# Altium PCB F103ZET6.PcbDoc (part 3 of 3) (continued)
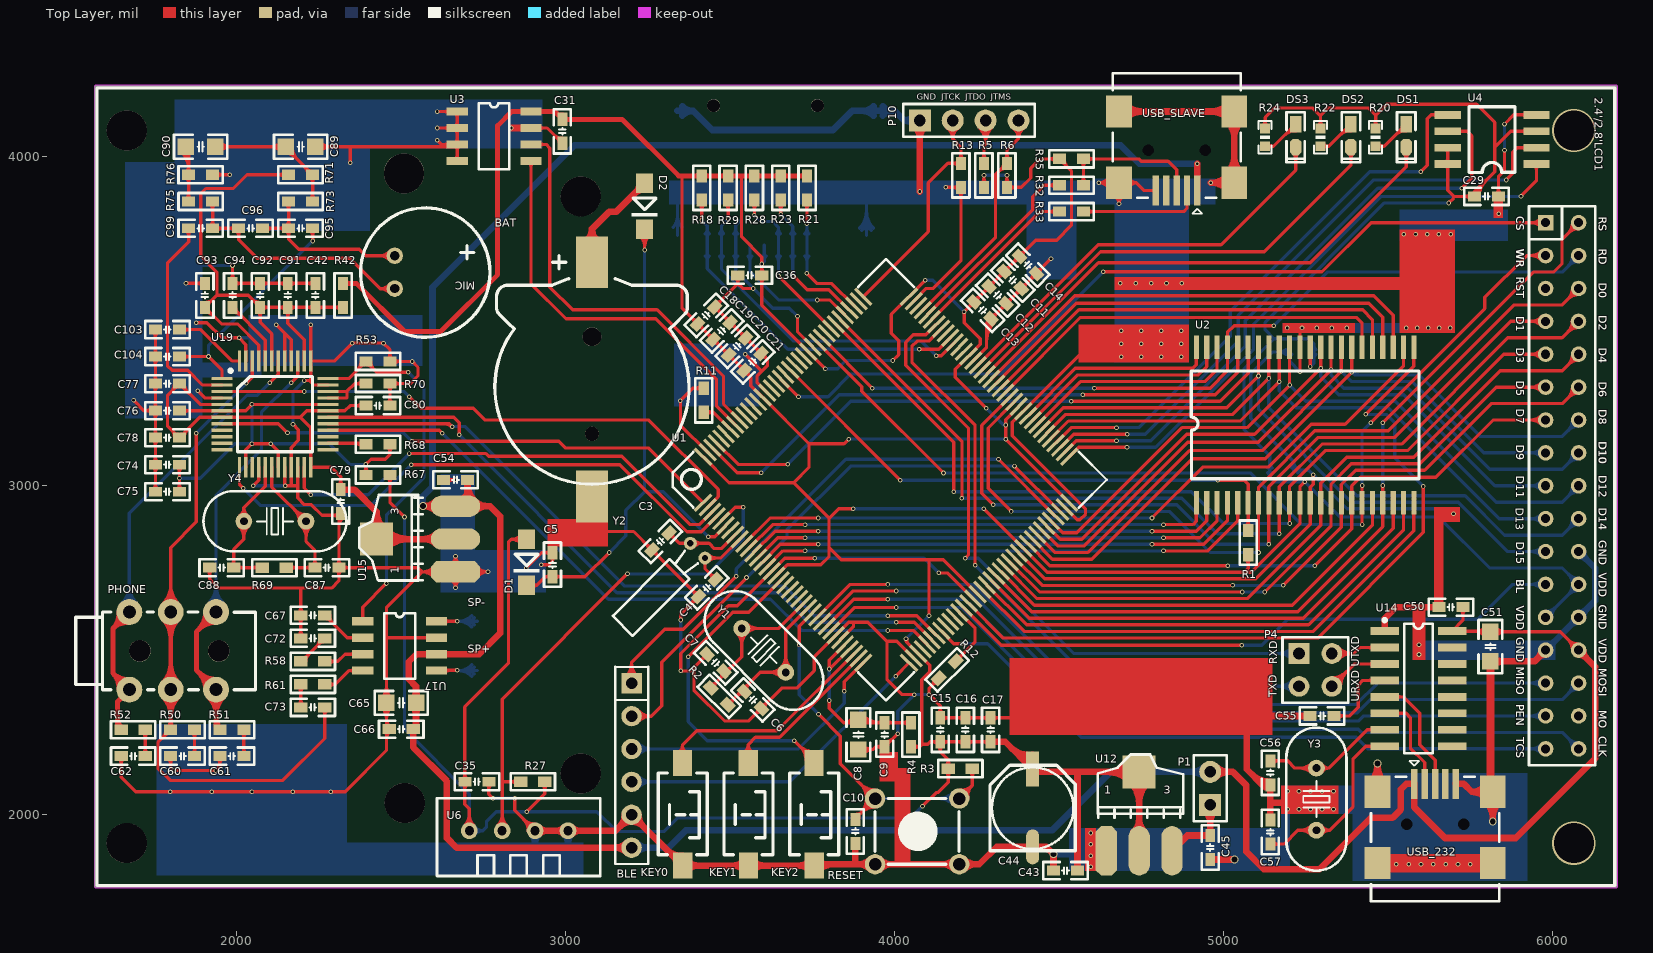
[diagram p0: Top Layer view]
## Nets (pads, with @x,y where several pads share a name; then routed paths per layer and width w, separated by ;. In a path a pad name is that pad's centre, name@x,y a point inside that pad or via, vN(x,y) a via of type N, cw(c..) or ccw(c..) an arc to the next point about the centre after c; other vN are vias at no path point) (continued)
T_CS: 2.4'/2.8'LCD1.33 U1.44 | length 2058
  Top Layer w10: U1.44@4141.54,2559.02 4180.57,2520 v1(4205,2520)
  Bottom Layer w10: v1(4205,2520) 4283,2520 4568,2235 5404,2235 5438.92,2200.08 2.4'/2.8'LCD1.33@5980.24,2200.08 ; 2.4'/2.8'LCD1.33@5967.07,2186.91 ccw(c5935.28,2155.12) 5935.28,2200.08 ccw(c5935.28,2245.04) 2.4'/2.8'LCD1.33@5967.07,2213.25
T_MISO: 2.4'/2.8'LCD1.29 U1.26 | length 2504.4
  Top Layer w10: U1.26@3765.72,2600.78 3864.94,2700 v1(3980,2700)
  Bottom Layer w10: v1(3980,2700) 4240,2700 4605,2335 4894,2335 5404,2335 5469.08,2400.08 2.4'/2.8'LCD1.29@5980.24,2400.08 ; 2.4'/2.8'LCD1.29@5967.07,2386.91 ccw(c5935.28,2355.12) 5935.28,2400.08 ccw(c5935.28,2445.04) 2.4'/2.8'LCD1.29@5967.07,2413.25
T_MOSI: 2.4'/2.8'LCD1.30 U1.27 | length 2600.4
  Top Layer w10: U1.27@3779.64,2586.86 3872.78,2680 v1(4005,2680)
  Bottom Layer w10: v1(4005,2680) 4227,2680 4597,2310 4895,2310 5407,2310 5447,2350 6030.16,2350 2.4'/2.8'LCD1.30@6080.24,2400.08 ; 2.4'/2.8'LCD1.30@6061.61,2400.08 cw(c6016.66,2400.08) 6048.45,2368.29 cw(c6080.24,2336.5) 2.4'/2.8'LCD1.30@6080.24,2381.46
T_PEN: 2.4'/2.8'LCD1.31 U1.28 | length 2450.8
  Top Layer w10: U1.28@3793.56,2572.94 3875.62,2655 v1(3980,2655)
  Bottom Layer w10: v1(3980,2655) 4214,2655 4584,2285 4895,2285 5412,2285 5427.08,2300.08 2.4'/2.8'LCD1.31@5980.24,2300.08 ; 2.4'/2.8'LCD1.31@5967.07,2286.91 ccw(c5935.28,2255.12) 5935.28,2300.08 ccw(c5935.28,2345.04) 2.4'/2.8'LCD1.31@5967.07,2313.25
USART1_RX: P4.1 U1.102 | length 2154.1
  Top Layer w10: U1.102@4127.62,3491.62 4095,3459 4057,3459 4034,3436 4034,3366 4225,3175 4225,2790 v1(4215,2780)
  Bottom Layer w10: v1(4215,2780) 4255,2780 4545,2490 P4.1@5230,2490 ; P4.1@5211.26,2471.26 ccw(c5166.03,2426.03) 5166.03,2490 ccw(c5166.03,2553.97) P4.1@5211.26,2508.74 ; P4.1@5218.34,2478.34 ccw(c5190.18,2450.18) 5190.18,2490 ccw(c5190.18,2529.82) P4.1@5218.34,2501.66
USART1_TX: P4.3 U1.101 | length 2156.8
  Top Layer w10: U1.101@4141.54,3477.7 4103.84,3440 4069,3440 4053,3424 4053,3376 4245,3184 v1(4245,2758)
  Bottom Layer w10: v1(4245,2758) 4613,2390 P4.3@5230,2390 ; P4.3@5211.26,2371.26 ccw(c5166.03,2326.03) 5166.03,2390 ccw(c5166.03,2453.97) P4.3@5211.26,2408.74 ; P4.3@5218.34,2378.34 ccw(c5190.18,2350.18) 5190.18,2390 ccw(c5190.18,2429.82) P4.3@5218.34,2401.66
USART2_RX: BLE.4 U1.37 | length 1152.9
  Top Layer w10: v1(4003.52,2421) U1.37@4044.1,2461.59
  Bottom Layer w10: BLE.4@3200.42,2099.58 3682.09,2099.58 v1(4003.52,2421) ; BLE.4@3211.74,2088.26 cw(c3239.05,2060.95) 3239.05,2099.58 cw(c3239.05,2138.2) BLE.4@3211.74,2110.89 ; BLE.4@3218.81,2081.19 cw(c3263.19,2036.81) 3263.19,2099.58 cw(c3263.19,2162.35) BLE.4@3218.81,2117.96
USART2_TX: BLE.3 U1.36 | length 1010.2
  Top Layer w10: v1(3847,2375) 3847,2403.68 U1.36@3904.91,2461.59
  Bottom Layer w10: BLE.3@3200.42,2199.58 3707.58,2199.58 3847,2339 v1(3847,2375) ; BLE.3@3211.74,2188.26 cw(c3239.05,2160.95) 3239.05,2199.58 cw(c3239.05,2238.2) BLE.3@3211.74,2210.89 ; BLE.3@3218.81,2181.19 cw(c3263.19,2136.81) 3263.19,2199.58 cw(c3263.19,2262.35) BLE.3@3218.81,2217.96
USART3_RX: BLE.2 U1.70 | length 1915.1
  Top Layer w10: BLE.2@3200.42,2299.58 3260.58,2299.58 3292,2331 3292,2463 v1(3550,2721) ; BLE.2@3212.08,2288.61 cw(c3237.44,2264.76) 3237.44,2299.58 cw(c3237.44,2334.39) BLE.2@3212.08,2310.54 ; BLE.2@3219.36,2281.76 cw(c3260.57,2243) 3260.57,2299.58 cw(c3260.57,2356.15) BLE.2@3219.36,2317.39 ; v1@4364.69,3059.69 U1.70@4503.45,2920.93
  Bottom Layer w10: v1(3550,2721) 3673,2844 3673,2866 3867,3060 v1(4365,3060)
USART3_TX: BLE.1 U1.69 | length 1852.4
  Top Layer w10: BLE.1@3182.04,2417.96 ccw(c3137.65,2462.35) 3200.42,2462.35 ccw(c3263.19,2462.35) BLE.1@3218.81,2417.96 ; BLE.1@3189.11,2410.89 ccw(c3161.8,2438.2) 3200.42,2438.2 ccw(c3239.05,2438.2) BLE.1@3211.74,2410.89 ; BLE.1@3200.42,2399.58 3200.42,2463.42 3301,2564 3358,2564 v1(3519,2725) ; v1(4316.27,3080.27) U1.69@4489.53,2907.01
  Bottom Layer w10: v1(3519,2725) 3519,2747 3852.27,3080.27 v1(4316.27,3080.27)
USB_DM: R33.2 U1.103 | length 564.6
  Top Layer w10: U1.103@4113.7,3505.54 4442.16,3834 R33.2@4501.5,3834 ; R33.2@4489.65,3826.4 ccw(c4471.3,3808.05) 4471.3,3834 ccw(c4471.3,3859.95) R33.2@4489.65,3841.6
USB_DP: R32.2 U1.104 | length 628.9
  Top Layer w10: U1.104@4099.78,3519.46 4420,3839.68 4420,3879 4455,3914 R32.2@4501.5,3914 ; R32.2@4489.65,3906.4 ccw(c4471.3,3888.05) 4471.3,3914 ccw(c4471.3,3939.95) R32.2@4489.65,3921.6
VCC3.3: 2.4'/2.8'LCD1.24 2.4'/2.8'LCD1.25 C1.2 C2.2 C11.2 C12.2 C13.2 C14.2 C15.2 C16.2 C17.2 C18.2 C19.2 C20.2 C21.2 C29.1 C31.1 C35.2 C36.2 C43.2 C44.1 D1.1 R1.2 R3.2 R4.2 R5.2 R6.2 R18.2 R20.1 R21.2 R22.1 R23.2 R24.1 R27.1 R28.2 R29.2 R35.2 R42.2 R67.2 TF.4 U1.17 U1.39 U1.52 U1.62 U1.72 U1.84 U1.95 U1.108 U1.121 U1.131 U1.144 U2.11 U2.33 U3.8 U4.3 U4.7 U4.8 U6.1 U12.2 U12.4 | length 23772.1
  Top Layer w10: R67.2@2457.9,3025.4 cw(c2439.55,3007.05) 2465.5,3007.05 cw(c2491.45,3007.05) R67.2@2473.1,3025.4 ; R67.2@2465.5,3033 2465.5,2949.5 v1(2510,2905) ; C35.2@2686.43,2092.93 cw(c2669.36,2075.86) 2693.5,2075.86 cw(c2717.64,2075.86) C35.2@2700.57,2092.93 ; C35.2@2686.43,2107.07 ccw(c2669.36,2124.14) 2693.5,2124.14 ccw(c2717.64,2124.14) C35.2@2700.57,2107.07 ; U6.1@2692.44,1965.56 ccw(c2657.29,2000.71) 2707,2000.71 ccw(c2756.71,2000.71) U6.1@2721.56,1965.56 ; U6.1@2707,1951 2707,2018 2693.5,2031.5 C35.2@2693.5,2100 2693.5,2327.5 2826,2460 2826,2828 2835,2837 ; D1.1@2865.64,2823.28 ccw(c2835,2795.92) 2835,2837 ; D1.1@2865.64,2850.72 cw(c2835,2878.08) 2835,2837 ; D1.1@2881,2837 2835,2837 ; v1(2882,2009) 2936.5,2063.5 R27.1@2936.5,2100 ; R27.1@2928.9,2092.4 cw(c2910.55,2074.05) 2936.5,2074.05 cw(c2962.45,2074.05) R27.1@2944.1,2092.4 ; 3354,3941.5 3354,3540.04 C18.2@3401.56,3492.48 C19.2@3448.7,3445.34 C20.2@3495.84,3398.2 C21.2@3542.98,3351.06 3563,3331.04 3563,3304.6 U1.131@3598.69,3268.91 3740,3127.6 ; C18.2@3391.56,3492.48 ccw(c3367.42,3492.48) 3384.49,3509.55 ccw(c3401.56,3526.62) C18.2@3401.56,3502.48 ; C18.2@3401.56,3482.48 cw(c3401.56,3458.34) 3418.63,3475.41 cw(c3435.7,3492.48) C18.2@3411.56,3492.48 ; U1.144@3417.73,3087.96 3496.69,3009 3693,3009 ; C19.2@3438.7,3445.34 ccw(c3414.56,3445.34) 3431.63,3462.41 ccw(c3448.7,3479.48) C19.2@3448.7,3455.34 ; C19.2@3448.7,3435.34 cw(c3448.7,3411.2) 3465.77,3428.27 cw(c3482.84,3445.34) C19.2@3458.7,3445.34 ; C20.2@3485.84,3398.2 ccw(c3461.7,3398.2) 3478.77,3415.27 ccw(c3495.84,3432.34) C20.2@3495.84,3408.2 ; C20.2@3495.84,3388.2 cw(c3495.84,3364.06) 3512.91,3381.13 cw(c3529.98,3398.2) C20.2@3505.84,3398.2 ; C21.2@3532.98,3351.06 ccw(c3508.84,3351.06) 3525.91,3368.13 ccw(c3542.98,3385.2) C21.2@3542.98,3361.06 ; 3535,3942.5 3535,3757 3596.5,3695.5 v1(3596.5,3674.5) C36.2@3596.5,3640 3596.5,3549.49 U1.121@3737.88,3408.11 v1(3789.99,3356) ; C21.2@3542.98,3341.06 cw(c3542.98,3316.92) 3560.05,3333.99 cw(c3577.12,3351.06) C21.2@3552.98,3351.06 ; C36.2@3589.43,3632.93 cw(c3572.36,3615.86) 3596.5,3615.86 cw(c3620.64,3615.86) C36.2@3603.57,3632.93 ; C36.2@3589.43,3647.07 ccw(c3572.36,3664.14) 3596.5,3664.14 ccw(c3620.64,3664.14) C36.2@3603.57,3647.07 ; U1.17@3640.44,2726.06 3674.39,2760 3776,2760 3801,2785 3801,2901 ; 3801,2812 3838,2775 4148.27,2775 U1.52@4252.9,2670.38 ; v1(3861.05,3142.05) 3846.6,3127.6 3740,3127.6 ; v1(3875,2930) 3830,2930 3801,2901 ; v1(3995,3381) 4013,3399 4013,3441 3990,3464 3990,3521.03 U1.108@4044.1,3575.14 v1(4093.97,3625) ; v1(4035,2535) 4035,2526.37 U1.39@4071.94,2489.43 4107,2454.37 4107,2434 4083,2410 4083,2214 4101,2214 4108.5,2221.5 C15.2@4139.2,2221.5 ; v1@4037,2535 ccw(c4062.66,2535) 4044.52,2516.85 ; R4.2@4050,2206.5 4077.5,2206.5 4085,2214 ; R4.2@4057.6,2198.9 cw(c4075.95,2180.55) 4075.95,2206.5 cw(c4075.95,2232.45) R4.2@4057.6,2214.1 ; v1(4085,2025) 4127,2067 4132,2067 4163.5,2098.5 R3.2@4163.5,2140 4163.5,2167.5 4139.2,2191.8 C15.2@4139.2,2221.5 ; v1(4105,2605) 4105,2775 ; C15.2@4132.13,2209.43 cw(c4115.06,2192.36) 4139.2,2192.36 cw(c4163.34,2192.36) C15.2@4146.27,2209.43 ; C15.2@4132.13,2214.43 ccw(c4115.06,2197.36) 4115.06,2221.5 ccw(c4115.06,2245.64) C15.2@4132.13,2228.57 ; C15.2@4146.27,2214.43 cw(c4163.34,2197.36) 4163.34,2221.5 cw(c4163.34,2245.64) C15.2@4146.27,2228.57 ; R3.2@4155.9,2132.4 cw(c4137.55,2114.05) 4163.5,2114.05 cw(c4189.45,2114.05) R3.2@4171.1,2132.4 ; R3.2@4155.9,2147.6 ccw(c4137.55,2165.95) 4163.5,2165.95 ccw(c4189.45,2165.95) R3.2@4171.1,2147.6 ; C16.2@4208.53,2214.43 ccw(c4191.46,2197.36) 4191.46,2221.5 ccw(c4191.46,2245.64) C16.2@4208.53,2228.57 ; C16.2@4222.67,2214.43 cw(c4239.74,2197.36) 4239.74,2221.5 cw(c4239.74,2245.64) C16.2@4222.67,2228.57 ; C13.2@4232.06,3559.53 cw(c4207.91,3559.53) 4224.98,3542.46 cw(c4242.06,3525.39) C13.2@4242.06,3549.53 ; C13.2@4242.06,3569.53 ccw(c4242.06,3593.67) 4259.13,3576.6 ccw(c4276.2,3559.53) C13.2@4252.06,3559.53 ; R5.2@4264.4,3919.35 ccw(c4246.05,3937.7) 4272,3937.7 ccw(c4297.95,3937.7) R5.2@4279.6,3919.35 ; v1(4271.66,2930) U1.62@4392.09,2809.57 4464.66,2737 5063,2737 ; R5.2@4272,3907.5 v1(4272,3944) ; C12.2@4277.92,3605.4 cw(c4253.78,3605.4) 4270.85,3588.33 cw(c4287.92,3571.26) C12.2@4287.92,3595.4 ; v1(4279,3236) 4185,3330 4185,3354.13 U1.95@4225.06,3394.19 4261,3430.13 4261,3447 4212,3496 4212,3529.48 C14.2@4379.65,3697.13 4429.52,3747 4493,3747 4538,3792 4538,3957.5 R35.2@4501.5,3994 4443,3994 4414,3965 4414,3936 4385.5,3907.5 R6.2@4342,3907.5 v1(4342,3944) ; C17.2@4284.93,2214.43 ccw(c4267.86,2197.36) 4267.86,2221.5 ccw(c4267.86,2245.64) C17.2@4284.93,2228.57 ; C12.2@4287.92,3615.4 ccw(c4287.92,3639.54) 4304.99,3622.47 ccw(c4322.06,3605.4) C12.2@4297.92,3605.4 ; C17.2@4292,2221.5 C16.2@4215.6,2221.5 C15.2@4139.2,2221.5 ; C11.2@4323.79,3651.27 cw(c4299.65,3651.27) 4316.72,3634.19 cw(c4333.79,3617.12) C11.2@4333.79,3641.27 ; C11.2@4333.79,3661.27 ccw(c4333.79,3685.41) 4350.86,3668.34 ccw(c4367.93,3651.27) C11.2@4343.79,3651.27 ; R6.2@4334.4,3919.35 ccw(c4316.05,3937.7) 4342,3937.7 ccw(c4367.95,3937.7) R6.2@4349.6,3919.35 ; R6.2@4349.6,3899.9 cw(c4367.95,3881.55) 4367.95,3907.5 cw(c4367.95,3933.45) R6.2@4349.6,3915.1 ; C14.2@4369.65,3697.13 cw(c4345.51,3697.13) 4362.58,3680.06 cw(c4379.65,3662.99) C14.2@4379.65,3687.13 ; U1.84@4378.17,3241.07 4338,3200.9 v1(4338,3185) v1(4338,3142.05) U1.72@4531.28,2948.77 ; C14.2@4379.65,3707.13 ccw(c4379.65,3731.27) 4396.73,3714.2 ccw(c4413.8,3697.13) C14.2@4389.65,3697.13 ; R35.2@4489.65,3986.4 ccw(c4471.3,3968.05) 4471.3,3994 ccw(c4471.3,4019.95) R35.2@4489.65,4001.6 ; R35.2@4505.75,3983.25 cw(c4505.75,3967.57) R35.2@4516.84,3978.66 ; R35.2@4516.5,3994 ccw(c4552.71,3994) 4527.11,3968.39 ; R1.2@5067.86,2778.65 cw(c5049.51,2760.3) 5075.46,2760.3 cw(c5101.4,2760.3) R1.2@5083.06,2778.65 ; R1.2@5075.46,2790.5 5075.46,2749.46 5063,2737 ; R24.1@5119.99,4094.07 ccw(c5102.92,4111.14) 5127.06,4111.14 ccw(c5151.2,4111.14) R24.1@5134.13,4094.07 ; R24.1@5127.06,4087 5127.06,4120.06 5156,4149 5271,4149 5295.14,4124.86 ; v1(5248,3012) 5232.94,2996.94 U2.11@5232.94,2948.65 5232.94,2884.94 5085,2737 5063,2737 ; v1(5264.43,3362.57) U2.33@5264.43,3421.09 ; R22.1@5288.07,4094.07 ccw(c5271,4111.14) 5295.14,4111.14 ccw(c5319.28,4111.14) R22.1@5302.21,4094.07 ; R22.1@5295.14,4087 5295.14,4124.86 ; R20.1@5456.15,4094.07 ccw(c5439.08,4111.14) 5463.22,4111.14 ccw(c5487.36,4111.14) R20.1@5470.29,4094.07 ; R20.1@5463.22,4087 5463.22,4126.78 ; U4.8@5677.05,3973.05 cw(c5665.1,3961.1) 5682,3961.1 cw(c5698.9,3961.1) U4.8@5686.95,3973.05 ; U4.8@5677.05,3982.95 ccw(c5665.1,3994.9) 5682,3994.9 ccw(c5698.9,3994.9) U4.8@5686.95,3982.95 ; U4.7@5677.05,4023.05 cw(c5665.1,4011.1) 5682,4011.1 cw(c5698.9,4011.1) U4.7@5686.95,4023.05 ; U4.7@5682,4028 U4.8@5682,3978 5682,3898 5700,3880 ; v1(5685,3860) 5700,3875 5700,3880 ; C29.1@5751.43,3872.93 ccw(c5734.36,3855.86) 5734.36,3880 ccw(c5734.36,3904.14) C29.1@5751.43,3887.07 ; C29.1@5758.5,3880 cw(c5779.02,3880) C29.1@5764.51,3894.51 ; C29.1@5768.5,3880 cw(c5813.16,3880) 5781.58,3911.58 ; C29.1@5778.5,3880 cw(c5847.31,3880) 5798.65,3928.65 ; U4.3@5919.05,4073.11 ccw(c5907.1,4061.16) 5907.1,4078.06 ccw(c5907.1,4094.96) U4.3@5919.05,4083.01 ; U4.3@5952,4078.06 5874.06,4078.06 5825,4029 ; 3693,3009 3740,3056 3740,3127.6 ; 3693,3009 3801,2901 ; 5295.14,4124.86 5319.28,4149 5441,4149 5463.22,4126.78 ; 5463.22,4126.78 5496.45,4160 5770,4160 5825,4105 5825,4029 ; 5700,3880 5750,3880 5825,3955 5825,4029
  Top Layer w15: R42.2@2323,3615.5 2363.5,3615.5 2510,3469 2620,3469 2793,3642 2793,4095 2836,4138 U3.8@2894.41,4138 2966.5,4138 C31.1@2990,4114.5 3171.5,4114.5 3343.5,3942.5 R18.2@3414,3942.5 R29.2@3494,3942.5 3535,3942.5 R28.2@3574,3942.5 R23.2@3654,3942.5 R21.2@3734,3942.5 ; R42.2@2328.83,3609.67 cw(c2342.91,3595.59) 2342.91,3615.5 cw(c2342.91,3635.41) R42.2@2328.83,3621.33 ; 2969,4135.5 ccw(c2989.53,4156.03) C31.1@2989.9,4127 ; C31.1@2995.3,4109.2 cw(c3008.11,4096.39) 3008.11,4114.5 cw(c3008.11,4132.61) C31.1@2995.3,4119.8 ; R18.2@3408.17,3936.67 ccw(c3394.09,3922.59) 3394.09,3942.5 ccw(c3394.09,3962.41) R18.2@3408.17,3948.33 ; R18.2@3419.83,3936.67 cw(c3433.91,3922.59) 3433.91,3942.5 cw(c3433.91,3962.41) R18.2@3419.83,3948.33 ; R29.2@3488.17,3936.67 ccw(c3474.09,3922.59) 3474.09,3942.5 ccw(c3474.09,3962.41) R29.2@3488.17,3948.33 ; R29.2@3499.83,3936.67 cw(c3513.91,3922.59) 3513.91,3942.5 cw(c3513.91,3962.41) R29.2@3499.83,3948.33 ; R28.2@3568.17,3936.67 ccw(c3554.09,3922.59) 3554.09,3942.5 ccw(c3554.09,3962.41) R28.2@3568.17,3948.33 ; R28.2@3579.83,3936.67 cw(c3593.91,3922.59) 3593.91,3942.5 cw(c3593.91,3962.41) R28.2@3579.83,3948.33 ; R23.2@3648.17,3936.67 ccw(c3634.09,3922.59) 3634.09,3942.5 ccw(c3634.09,3962.41) R23.2@3648.17,3948.33 ; R23.2@3659.83,3936.67 cw(c3673.91,3922.59) 3673.91,3942.5 cw(c3673.91,3962.41) R23.2@3659.83,3948.33 ; R21.2@3728.17,3936.67 ccw(c3714.09,3922.59) 3714.09,3942.5 ccw(c3714.09,3962.41) R21.2@3728.17,3948.33
  Top Layer w20: C17.2@4292,2221.5 4336.61,2221.5 C44.1@4420,2138.11 4428.17,2129.94 U12.4@4744.03,2129.94 U12.2@4744.03,1889.94 ; 4353.34,2204.77 ccw(c4411.13,2262.56) C44.1@4419.06,2181.21 ; 4383.29,2174.82 ccw(c4416.45,2207.99) C44.1@4421,2161.31 ; C44.1@4413.23,2144.88 ccw(c4421.77,2153.43) C44.1@4422.94,2141.4 ; C44.1@4426.85,2144.96 ccw(c4463.11,2181.22) 4463.11,2129.94 ; C43.2@4556.5,1830 4556.5,2129.44 ; U12.4@4715.75,2158.22 cw(c4647.46,2226.51) 4647.46,2129.94 cw(c4647.46,2033.37) 4715.75,2101.65 cw(c4647.46,2033.37) 4744.03,2033.37 cw(c4840.6,2033.37) U12.4@4772.32,2101.65 ; U12.2@4728.12,1948.35 ccw(c4689.71,1986.76) 4744.03,1986.76 ccw(c4798.35,1986.76) U12.2@4759.94,1948.35
  Bottom Layer w10: v1(2510,2905) 2510,2259 2707,2062 U6.1@2707,1951 2748,1951 ; U6.1@2692.44,1965.56 ccw(c2657.29,2000.71) 2707,2000.71 ccw(c2756.71,2000.71) U6.1@2721.56,1965.56 ; U6.1@2723.52,1938.7 cw(c2748,1920.48) 2748,1951 ; U6.1@2723.52,1963.3 ccw(c2748,1981.52) 2748,1951 ; v1@3595.09,3675.91 ccw(c3574.1,3696.9) TF.4@3603.78,3696.9 ; v1(3596.5,3674.5) 3603.78,3681.78 TF.4@3603.78,3732.52 ; TF.4@3597.57,3698.75 cw(c3582.58,3683.77) 3603.78,3683.77 cw(c3624.98,3683.77) TF.4@3609.99,3698.75 ; v1(3789.99,3356) 3827,3356 3852,3381 v1(3995,3381) ; v1(3861.05,3142.05) v1(4338,3142.05) ; v1(3875,2930) v1(4271.66,2930) ; v1(4035,2535) v1(4105,2605) ; v1(4085,2025) 4050,1990 3341,1990 3300,1949 3155,1949 3095,2009 v1(2882,2009) 2789,2009 2759,1979 2759,1962 2748,1951 ; v1(4093.97,3625) 4116,3625 v1(4211.52,3529.48) ; v1(4272,3944) v1(4342,3944) ; v1(4279,3236) 4330,3185 v1(4338,3185) ; 4320.93,3194.07 ccw(c4338,3211.14) v1@4338,3187 ; C2.2@5134.43,3054.07 ccw(c5117.36,3071.14) 5141.5,3071.14 ccw(c5165.64,3071.14) C2.2@5148.57,3054.07 ; C2.2@5134.8,3039.58 cw(c5121.19,3024.5) 5141.5,3024.5 ; C2.2@5148.2,3039.58 ccw(c5161.81,3024.5) 5141.5,3024.5 ; v1(5264.43,3362.57) 5274.5,3372.63 C1.2@5274.5,3407 5274.5,3432.5 5260,3447 5154,3447 ; C1.2@5267.43,3399.93 cw(c5250.36,3382.86) 5274.5,3382.86 cw(c5298.64,3382.86) C1.2@5281.57,3399.93 ; C1.2@5267.43,3414.07 ccw(c5250.36,3431.14) 5274.5,3431.14 ccw(c5298.64,3431.14) C1.2@5281.57,3414.07 ; v1(5685,3860) 5490,3860 5126.73,3496.73 5126.73,3474.27 5154,3447 ; 2.4'/2.8'LCD1.25@5980.24,2600.08 2.4'/2.8'LCD1.24@6080.24,2700.08 6030.31,2750 5810,2750 5655,2905 5355,2905 v1(5248,3012) 5154,3012 5141.5,3024.5 ; 2.4'/2.8'LCD1.25@5980.24,2618.7 ccw(c5980.24,2663.66) 6012.03,2631.87 ccw(c6043.82,2600.08) 2.4'/2.8'LCD1.25@5998.86,2600.08 ; 2.4'/2.8'LCD1.24@6080.24,2681.46 ccw(c6080.24,2636.5) 6048.45,2668.29 ccw(c6016.66,2700.08) 6061.61,2700.08 ccw(c6016.66,2700.08) 6048.45,2731.87 ccw(c6080.24,2763.66) 2.4'/2.8'LCD1.24@6080.24,2718.7 ; 5141.5,3024.5 C2.2@5141.5,3047 5141.5,3091.5 5063,3170 5063,3356 5154,3447
VCC5: 2.4'/2.8'LCD1.28 BLE.6 C50.1 C51.1 C54.1 C65.2 C66.2 P1.2 U14.16 U15.3 U17.6 USB_232.1 USB_SLAVE.1 | length 11044.7
  Top Layer w10: C50.1@5721.43,2623.93 cw(c5704.36,2606.86) 5728.5,2606.86 cw(c5752.64,2606.86) C50.1@5735.57,2623.93 ; C50.1@5728.5,2631 5728.5,2591.14 U14.16@5695.36,2558 C51.1@5810,2558 ; U14.16@5731.67,2553.18 cw(c5743.3,2541.56) 5743.3,2558 cw(c5743.3,2574.44) U14.16@5731.67,2562.82 ; 5758.89,2558 cw(c5758.89,2502.89) C51.1@5797.86,2541.86 ; 5768.54,2558 ccw(c5768.54,2599.46) C51.1@5797.86,2570.14 ; 5783.03,2558 cw(c5783.03,2527.03) C51.1@5804.93,2548.93 ; C51.1@5812,2556 6024.31,2556 2.4'/2.8'LCD1.28@6080.24,2500.08 ; C51.1@5826.14,2541.86 cw(c5860.28,2507.72) 5860.28,2556 cw(c5860.28,2604.28) C51.1@5826.14,2570.14 ; 2.4'/2.8'LCD1.28@6061.61,2500.08 ccw(c6016.66,2500.08) 6048.45,2531.87 ccw(c6080.24,2563.66) 2.4'/2.8'LCD1.28@6080.24,2518.7
  Top Layer w20: C65.2@2534.39,2329.39 cw(c2508.79,2303.79) 2545,2303.79 cw(c2581.21,2303.79) C65.2@2555.61,2329.39 ; C65.2@2534.39,2350.61 ccw(c2508.79,2376.21) 2545,2376.21 ccw(c2581.21,2376.21) C65.2@2555.61,2350.61 ; C66.2@2536.5,2260 2536.5,2204.5 2639,2102 2639,1929 2668.42,1899.58 BLE.6@3200.42,1899.58 ; C66.2@2537.96,2263.54 ccw(c2520.98,2280.52) 2545,2280.52 ; C66.2@2545,2268.5 C65.2@2545,2340 2545,2390 2523,2412 2523,2465 2546,2488 U17.6@2607.41,2488 2737,2488 2801,2552 2801,2907 2769.97,2938.03 U15.3@2665.06,2938.03 ; v2(2566.03,2938.03) U15.3@2665.06,2938.03 ; U15.3@2606.65,2922.12 ccw(c2568.24,2883.71) 2568.24,2938.03 ccw(c2568.24,2992.35) U15.3@2606.65,2953.94 ; U15.3@2691.65,2953.94 ccw(c2667.88,2977.71) 2701.5,2977.71 ; U15.3@2692.67,2954.9 ccw(c2675.4,2974.47) 2701.5,2974.47 ; C54.1@2701.5,3006.99 ccw(c2776.52,3006.99) 2723.47,2953.94 ccw(c2761.88,2992.35) 2761.88,2938.03 ccw(c2761.88,2883.71) U15.3@2723.47,2922.12 ; C54.1@2701.5,3018 2701.5,2974.47 ; U15.3@2712.93,2959.88 cw(c2716.52,2974.47) 2701.5,2974.47 ; BLE.6@3185.57,1884.73 ccw(c3149.73,1848.88) 3149.73,1899.58 ccw(c3149.73,1950.27) BLE.6@3185.57,1914.43 ; USB_SLAVE.1@4920.99,3897.64 v1(4921,3979) ; P1.2@4960,2130 5029,2130 5070,2089 5070,1887 5123,1834 5292,1834 5448,1990 5514,1990 5540,2016 5540,2077 5556.36,2093.36 USB_232.1@5581.01,2093.36 5581.01,2021.99 5674,1929 5889,1929 6131,2171 6131,2449.31 2.4'/2.8'LCD1.28@6080.24,2500.08 ; P1.2@4976.59,2113.41 cw(c5016.65,2073.35) 5016.65,2130 cw(c5016.65,2186.65) P1.2@4976.59,2146.59 ; 2.4'/2.8'LCD1.28@6080.24,2486.46 cw(c6080.24,2453.57) 6103.49,2476.82 cw(c6126.74,2500.08) 2.4'/2.8'LCD1.28@6093.86,2500.08 ; U15.3@2665.06,2938.03 2701.5,2974.47
  Bottom Layer w20: v2(2566.03,2938.03) 2566.03,2968.03 2595,2997 2595,3604 3026,4035 4688,4035 4744,3979 v1(4921,3979) ; BLE.6@3200.42,1899.58 3312.58,1899.58 3365,1952 4479,1952 4657,2130 P1.2@4960,2130 ; BLE.6@3215.27,1884.73 cw(c3251.12,1848.88) 3251.12,1899.58 cw(c3251.12,1950.27) BLE.6@3215.27,1914.43 ; P1.2@4943.41,2113.41 ccw(c4903.35,2073.35) 4903.35,2130 ccw(c4903.35,2186.65) P1.2@4943.41,2146.59
VS_DREQ: U1.1 U19.8 | length 1562.2
  Top Layer w10: U19.8@1954.74,3188.39 2126.61,3188.39 v1(2154,3161) ; v1(2532,3135) 2979,3135 2999,3115 3251.5,3115 U1.1@3417.73,2948.77
  Bottom Layer w10: v1(2154,3161) 2506,3161 v1(2532,3135)
VS_MISO: U1.42 U19.30 | length 2138.2
  Top Layer w10: U19.30@2277.58,3208.07 2660,3208.07 2676,3192.07 v1(2676,3155) ; v1(4005,2585) 4059.89,2585 U1.42@4113.7,2531.18
  Bottom Layer w10: v1(2676,3155) 3156,2675 3648,2675 3738,2585 v1(4005,2585)
VS_MOSI: U1.43 U19.29 | length 2142.8
  Top Layer w10: U19.29@2277.58,3188.39 2646.61,3188.39 v1(2655,3180) ; 2629.93,3188.39 cw(c2629.93,3154.93) v1@2653.59,3178.59 ; v1(3980,2605) 4067.73,2605 U1.43@4127.62,2545.1
  Bottom Layer w10: v1(2655,3180) 2695,3180 3180,2695 3666,2695 3756,2605 v1(3980,2605)
VS_RST: U1.2 U19.3 | length 1700.2
  Top Layer w10: U19.3@1954.74,3286.81 v1(2205,3286.81) ; v1(2524.5,3270.5) 2559,3236 2719,3236 2755,3200 3253,3200 3464,2989 3464,2967.19 U1.2@3431.65,2934.85
  Bottom Layer w10: v1(2205,3286.81) 2508.19,3286.81 v1(2524.5,3270.5)
VS_SCK: U1.41 U19.28 | length 2092
  Top Layer w10: U19.28@2277.58,3168.7 2616.3,3168.7 v1(2625,3160) ; v1(3980,2560) 4057.05,2560 U1.41@4099.78,2517.26
  Bottom Layer w10: v1(2625,3160) 3130,2655 3622.87,2655 3717.87,2560 v1(3980,2560)
VS_XCS: U1.3 U19.23 | length 1469.8
  Top Layer w10: U19.23@2204.74,3056.5 2204.74,2993.26 v1(2225,2973) ; v1(2524,3098) 2758,3098 2766,3090 3171,3090 3379,2882 3406.64,2882 U1.3@3445.57,2920.93
  Bottom Layer w10: v1(2225,2973) 2399,2973 v1(2524,3098)
VS_XDCS: U1.4 U19.13 | length 1685.3
  Top Layer w10: U19.13@2007.89,3056.5 2007.89,3005.11 v1(2020,2993) ; v1(2531,3064) 3165,3064 3369,2860 3412.48,2860 U1.4@3459.49,2907.01
  Bottom Layer w10: v1(2020,2993) 2073,2940 2407,2940 v1(2531,3064)
pads on no net: 2.4'/2.8'LCD1. 2.4'/2.8'LCD1.32 BAT.0 PHONE.0 TF.9 TF.14 TF.15 U1.7 U1.19 U1.20 U1.21 U1.22 U1.45 U1.46 U1.47 U1.96 U1.97 U1.100 U1.106 U1.110 U1.117 U1.122 U1.123 U1.124 U1.126 U1.128 U1.132 U1.135 U1.139 U1.140 U14.9 U14.10 U14.11 U14.12 U14.13 U14.14 U14.15 U19.9 U19.10 U19.11 U19.12 U19.15 U19.25 U19.27 USB_232.4 USB_232.MH1 USB_232.MH2 USB_SLAVE.4 USB_SLAVE.MH1 USB_SLAVE.MH2
copper on no net:
  other v3: 6066,1913.19 6066,4080.51

## Keep-outs
Keep-Out Layer:
  the board outline again, w10

## Other copper
Top Layer:
  rectangle net GND: 3955,2100 4010,2190
  rectangle net GND: 4000,1839 4048,2142
  rectangle net GND: 5640,2890 5720,2935
  rectangle net GND: 5640,2642 5670,2935
  rectangle net GND: 4669,3595 5559,3635
  rectangle net GND: 4560,3375 4895,3490
  rectangle net GND: 5801,2086 5824,2472
  rectangle net GND: 5575,2470 5615,2641
  rectangle net GND: 5822,3815 5851,3888
  rectangle net GND: 5535,3465 5705,3780
  rectangle net GND: 4350,2242 5150,2477
  rectangle net GND: 5180,3465 5400,3495
  rectangle net GND: 2945,2815 3129,2899
  rectangle net GND: 4580,1828 4613,1959
  rectangle net GND: 5175,2002 5350,2088
  rectangle net GND: 5501,1824 5795,1880
Bottom Layer:
  rectangle net GND: 4610,3855 4976,3935
  rectangle net GND: 4669,3375 4895,3920
  rectangle net GND: 4402,3627 4553,3902
  rectangle net GND: 3314,3855 4976,3928
  rectangle net GND: 3330,3241.57 3590,3432.94
  rectangle net GND: 5175,1959 5203,2015
  rectangle net GND: 4530,1828 5203,1959
  rectangle net GND: 5175,2002 5468,2088
  rectangle net GND: 5393,1798 5925,2127
  rectangle net GND: 5575,2470 6010,2530
  rectangle net GND: 5535,3745 5865,3840
  rectangle net GND: 5180,3465 5705,3495
  rectangle net GND: 1660,3205 1895,3984
  rectangle net GND: 2035,3365 2565,3520
  rectangle net GND: 1810,3775 2405,4060
  rectangle net GND: 1755,1815 3055,1915
  rectangle net GND: 1755,1895 2335,2275
  rectangle net GND: 2620,2675 2725,3036
  rectangle net GND: 2620,2675 2940,2805
  rectangle net GND: 1810,4026 2930,4175
  rectangle net GND: 1889,3330 2075,3375

## Silkscreen, mask and mechanical layers (free items; w line width, h text height)
Top Overlay:
  text "GND  JTCK  JTDO  JTMS" at 4067,4168 h32
Bottom Overlay:
  drawing of 3251 lines, arcs and shapes, not listed
Top Solder:
  text "未名科技 03.07" at 4363,2317 h130

## Text inside footprints (layer, text, board x,y; h text height)
2.4'/2.8'LCD1: Top Overlay "D7" at 5890,3235 h24 r270; Top Overlay "BL" at 5890,2715 h24 r270; Top Overlay "MISO" at 5890,2450 h24 r270; Top Overlay "TCS" at 5890,2235 h24 r270; Top Overlay "MO" at 6141.42,2317.72 h24 r270; Top Overlay "MOSI" at 6141.42,2445.67 h24 r270; Top Overlay "CLK" at 6141.42,2238.98 h24 r270; Top Overlay "PEN" at 5890,2335 h24 r270; Top Overlay "D11" at 5890,3030 h24 r270; Top Overlay "GND" at 5890,2540 h24 r270; Top Overlay "GND" at 6141.42,2834.45 h24 r270; Top Overlay "RD" at 6141.42,3720.28 h24 r270; Top Overlay "D0" at 6141.42,3616.93 h24 r270; Top Overlay "D10" at 6141.42,3134.65 h24 r270; Top Overlay "VDD" at 6141.42,2736.02 h24 r270; Top Overlay "GND" at 6141.42,2637.6 h24 r270; Top Overlay "VDD" at 6141.42,2534.25 h24 r270; Top Overlay "VDD" at 5890,2635 h24 r270; Top Overlay "D15" at 5890,2830 h24 r270; Top Overlay "D12" at 6141.42,3031.3 h24 r270; Top Overlay "D13" at 5889.61,2932.87 h24 r270; Top Overlay "D9" at 5890,3125 h24 r270; Top Overlay "D8" at 6141.42,3233.07 h24 r270; Top Overlay "D6" at 6141.42,3316.73 h24 r270; Top Overlay "D5" at 5890,3320 h24 r270; Top Overlay "D4" at 6141.42,3420.08 h24 r270; Top Overlay "D3" at 5890,3420 h24 r270; Top Overlay "D2" at 6141.42,3518.5 h24 r270; Top Overlay "D1" at 5890,3515 h24 r270; Top Overlay "RST" at 5890,3635 h24 r270; Top Overlay "WR" at 5890,3720 h24 r270; Top Overlay "CS" at 5890,3820 h24 r270; Top Overlay "RS" at 6141.42,3818.7 h24 r270; Top Overlay "D14" at 6141.42,2932.87 h24 r270; Top Overlay "BL" at 5890.24,2715.08 h24 r270; Top Overlay "MISO" at 5890.24,2450.08 h24 r270; Top Overlay "TCS" at 5890.24,2235.08 h24 r270; Top Overlay "MO" at 6141.65,2317.8 h24 r270; Top Overlay "MOSI" at 6141.65,2445.75 h24 r270; Top Overlay "CLK" at 6141.65,2239.06 h24 r270; Top Overlay "PEN" at 5890.24,2335.08 h24 r270; Top Overlay "D11" at 5890.24,3030.08 h24 r270; Top Overlay "GND" at 5890.24,2540.08 h24 r270; Top Overlay "GND" at 6141.65,2834.53 h24 r270; Top Overlay "RD" at 6141.65,3720.35 h24 r270; Top Overlay "D0" at 6141.65,3617.01 h24 r270; Top Overlay "D10" at 6141.65,3134.72 h24 r270; Top Overlay "VDD" at 6141.65,2736.1 h24 r270; Top Overlay "GND" at 6141.65,2637.68 h24 r270; Top Overlay "VDD" at 6141.65,2534.33 h24 r270; Top Overlay "VDD" at 5890.24,2635.08 h24 r270; Top Overlay "D15" at 5890.24,2830.08 h24 r270; Top Overlay "D12" at 6141.65,3031.38 h24 r270; Top Overlay "D9" at 5890.24,3125.08 h24 r270; Top Overlay "D8" at 6141.65,3233.15 h24 r270; Top Overlay "D6" at 6141.65,3316.81 h24 r270; Top Overlay "D5" at 5890.24,3320.08 h24 r270; Top Overlay "D4" at 6141.65,3420.16 h24 r270; Top Overlay "D3" at 5890.24,3420.08 h24 r270; Top Overlay "D2" at 6141.65,3518.58 h24 r270; Top Overlay "D1" at 5890.24,3515.08 h24 r270; Top Overlay "RST" at 5890.24,3635.08 h24 r270; Top Overlay "WR" at 5890.24,3720.08 h24 r270; Top Overlay "CS" at 5890.24,3820.08 h24 r270; Top Overlay "RS" at 6141.65,3818.78 h24 r270; Top Overlay "D14" at 6141.65,2932.95 h24 r270
P4: Top Overlay "TXD" at 5163,2357 h24 r90; Top Overlay "URXD" at 5414,2344 h24 r90; Top Overlay "UTXD" at 5414,2449 h24 r90; Top Overlay "RXD" at 5164,2458 h24 r90
U12: Top Overlay "3" at 4818.03,2062.94 h24; Top Overlay "1" at 4638.03,2062.94 h24
U15: Top Overlay "3" at 2492.06,2912.03 h24 r90; Top Overlay "1" at 2492.06,2732.03 h24 r90